# Altium PCB PCB_UDC_PlacaControle_V2.0.PcbDoc (part 4 of 7) (continued)
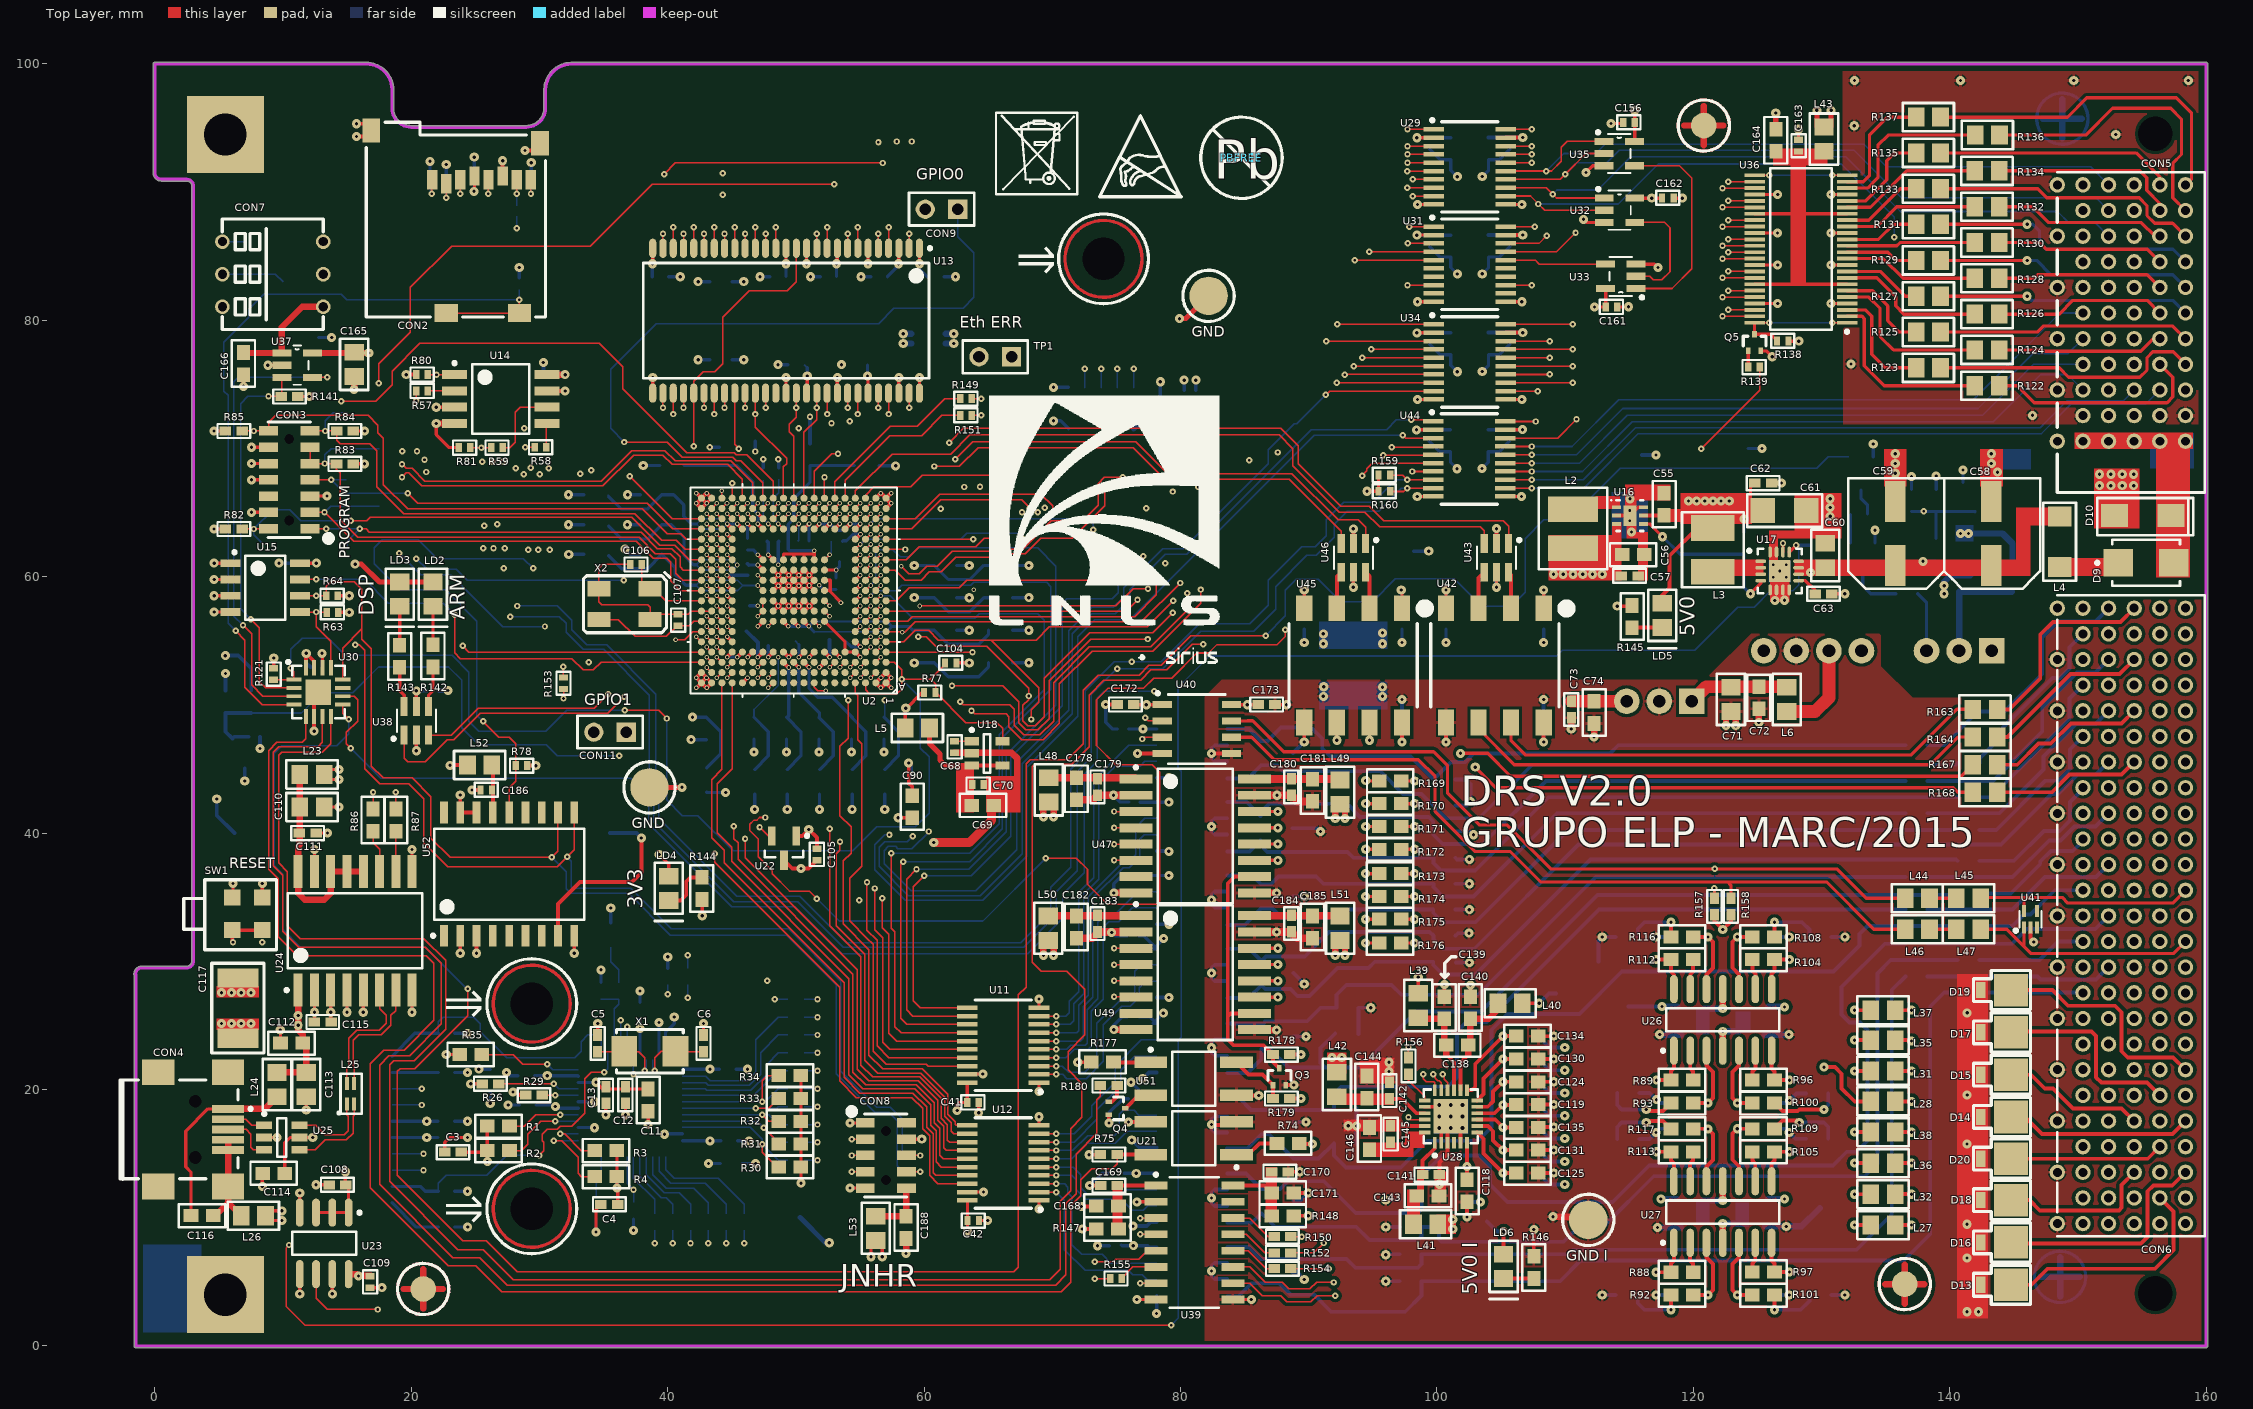
[diagram p0: Top Layer view]
## Nets (pads, with @x,y where several pads share a name; then routed paths per layer and width w, separated by ;. In a path a pad name is that pad's centre, name@x,y a point inside that pad or via, vN(x,y) a via of type N, cw(c..) or ccw(c..) an arc to the next point about the centre after c; other vN are vias at no path point) (continued)
NetC43_2: C43.2 C44.2 C45.2 C46.2 C47.2 C48.2 C49.2 C50.2 C51.2 L1.2 U13.1 U13.3 U13.9 U13.14 U13.27 U13.43 U13.49 | length 19.1
  Top Layer w0.102: v1(55.587,75.658) v1@55.637,75.608
  Top Layer w0.254: v1@38.837,84.435 U13.27@38.837,85.626 ; v1(49.237,84.421) U13.14@49.237,85.626 ; U13.43@50.888,74.377 v1(50.888,75.658) ; v1@53.237,84.484 U13.9@53.237,85.626 ; U13.49@55.637,74.326 v1@55.637,75.608 ; v1@58.037,84.458 U13.3@58.037,85.626 ; v1@59.637,84.435 U13.1@59.637,85.626
  Bottom Layer w0.102: C45.2@50.664,76.547 C45.2@50.888,76.323
  Bottom Layer w0.254: C51.2@38.793,83.405 v1@38.793,84.391 ; C43.2@45.019,76.928 v1(45.935,76.928) ; C44.2@45.019,83.024 v1(45.935,83.024) ; C50.2@49.237,83.435 v1(49.237,84.421) ; v1(50.888,75.658) C45.2@50.888,76.323 ; C49.2@53.174,83.435 v1(53.174,84.421) ; v1(55.587,75.658) C46.2@55.587,76.517 ; C48.2@57.141,83.405 58,84.264 v1(58,84.421) ; v1(59.651,84.421) 59.651,84.01 C47.2@60.256,83.405
  Bottom Layer w0.5: v1(58.381,78.198) L1.2@59.016,78.198 ; v1(58.381,78.96) L1.2@59.016,78.96
  other v1: 38.823,84.421
NetC58_1: C58.1 C59.1 C60.2 L4.2 R67.1 R71.1 U17.10 U17.11 U17.12 | length 1.8
  Bottom Layer w0.254: v1(129.159,60.328) R67.1@129.159,61.202 ; v1(137.922,61.202) R71.1@138.862,61.202
NetC63_2: C63.2 U17.9 | length 1.9
  Top Layer w0.254: U17.9@128.221,59.702 128.754,59.702 129.51,58.946 C63.2@129.51,58.674
NetC65_2: C65.2 R67.2 SW1.1 U17.13 | length 233.9
  Top Layer w0.127: v2(10.465,7.874) 10.236,7.645 10.236,3.099 11.709,1.626 v2(79.273,1.626)
  Top Layer w0.254: v2(6.096,31.496) 6.035,31.557 SW1.1@6.035,32.43 SW1.1@8.365,32.43 ; U17.13@127.496,61.927 v5(128.025,62.456)
  Signal 2 w0.127: v2(8.382,31.496) 9.347,30.531 21.107,30.531 21.793,29.845 21.793,25.324 20.955,24.486 20.015,24.486 18.644,23.114 17.17,23.114 16.764,22.708 16.764,8.509 16.408,8.153 10.744,8.153 v2(10.465,7.874)
  Signal 2 w0.254: v2(6.096,31.496) v2(8.382,31.496)
  Bottom Layer w0.127: v2(79.273,1.626) 79.832,2.184 79.832,23.851 80.061,24.079 80.061,44.831 79.807,45.085 79.807,51.359 82.271,53.823 109.347,53.823 109.804,54.28 120.116,54.28 123.469,57.633 124.764,57.633 126.034,58.903 127.787,58.903 128.219,59.334 128.219,62.262 v5(128.025,62.456)
  Bottom Layer w0.254: v2(6.096,31.496) C65.2@6.096,32.919 ; v5(128.025,62.456) R67.2@129.113,62.456
NetC68_2: C68.2 U18.1 | length 1.3
  Top Layer w0.102: C68.2@62.382,47.179 U18.1@63.722,47.178
NetC69_2: C69.2 C70.2 L5.2 U18.3 U18.4 | length 7.9
  Top Layer w0.3: U18.3@63.722,45.278 U18.4@66.122,45.278
  Top Layer w0.4: L5.2@60.427,48.209 60.427,46.99 61.239,46.177 61.239,45.695 61.656,45.278 U18.3@63.722,45.278
NetC71_2: C71.2 C72.2 L6.2 U19.1 | length 7.9
  Top Layer w1: U19.1@119.888,50.292 121.021,51.425 C72.2@125.121,51.425 L6.2@127.292,51.425
NetC75_2: C75.2 C76.2 L7.2 U20.2 | length 8.6
  Bottom Layer w0.5: U20.2@140.741,54.229 C75.2@140.741,58.82 ; C75.2@140.843,58.82 L7.2@144.851,58.82
NetC77_2: C77.2 L10.2 U2.C9 | length 11.5
  Top Layer w0.3: U2.C9@50.635,53.328 v3(51.028,52.935)
  Bottom Layer w0.254: v3(51.028,52.935) 51.028,51.283 51.714,50.597 52.843,50.597 C77.2@54.393,49.047 ; C77.2@54.341,49.047 55.46,47.928 55.46,46.025 L10.2@54.393,44.958
NetC78_2: C78.2 L9.2 U2.C11 | length 9.5
  Top Layer w0.3: U2.C11@49.047,53.315 v3(49.441,52.921)
  Bottom Layer w0.254: C78.2@49.275,49.047 50.394,47.928 50.394,46.025 L9.2@49.327,44.958 ; C78.2@49.352,49.047 49.441,49.135 v3(49.441,52.921)
NetC79_2: C79.2 L8.2 U2.C10 | length 10.1
  Top Layer w0.3: U2.C10@49.835,53.328 v3(50.228,52.935)
  Bottom Layer w0.254: v3(50.228,52.935) 50.228,50.991 51.851,49.368 C79.2@51.851,49.047 ; C79.2@51.801,49.047 52.92,47.928 52.92,46.025 L8.2@51.853,44.958
NetC80_2: C80.2 U2.M13 | length 1.4
  Top Layer w0.3: v3(47.042,60.921) U2.M13@47.435,60.528
  Bottom Layer w0.254: C80.2@46.328,60.921 v3(47.042,60.921)
  Bottom Layer w0.3: C80.2@46.228,61.021 C80.2@46.328,60.921
NetC81_2: C81.2 U2.T10 | length 1.9
  Top Layer w0.102: U2.T10@49.835,63.728 v3(50.228,64.121)
  Bottom Layer w0.102: C81.2@50.154,62.763 50.228,62.837 v3(50.228,64.121)
NetC82_2: C82.2 U2.T11 | length 4.4
  Top Layer w0.102: v3(48.642,64.121) U2.T11@49.035,63.728
  Bottom Layer w0.102: v3(48.642,64.121) 48.235,64.528 48.235,66.116 48.667,66.549 C82.2@48.667,67.604
NetC83_2: C83.2 U2.N12 | length 1.6
  Top Layer w0.3: v3(47.842,61.721) U2.N12@48.235,61.328
  Bottom Layer w0.254: v3(47.842,61.721) C83.2@47.842,62.689
  Bottom Layer w0.3: C83.2@47.767,62.763 C83.2@47.842,62.689
NetC84_2: C84.2 U2.T12 | length 4.1
  Top Layer w0.102: v3(47.842,64.121) U2.T12@48.235,63.728
  Bottom Layer w0.102: C84.2@47.447,67.539 47.447,64.516 v3(47.842,64.121)
NetC85_2: C85.2 TP9.1 U2.M7 | length 2.3
  Top Layer w0.254: U2.M7@52.235,60.528 v3(53.137,60.528)
  Bottom Layer w0.254: C85.2@53.137,59.904 v3(53.137,60.528) 53.4,60.791 TP9.1@53.4,61.2
NetC86_2: C86.2 U2.N13 | length 1.5
  Top Layer w0.3: v3(47.042,61.721) U2.N13@47.435,61.328
  Bottom Layer w0.254: C86.2@46.228,62.092 46.671,62.092 v3(47.042,61.721)
NetC87_2: C87.2 U2.N7 | length 1.6
  Top Layer w0.102: U2.N7@52.235,61.328 v3(52.628,61.721)
  Bottom Layer w0.102: v3(52.628,61.721) 52.745,61.838 C87.2@52.745,62.763
NetC88_2: C88.2 U2.D12 | length 1.5
  Top Layer w0.3: v3(47.842,53.735) U2.D12@48.235,54.128
  Bottom Layer w0.254: v3(47.842,53.735) C88.2@47.842,54.648
NetC89_2: C89.2 U2.D13 | length 2.9
  Top Layer w0.3: v3(47.042,53.735) U2.D13@47.435,54.128
  Bottom Layer w0.3: C89.2@46.152,55.754 47.042,54.864 v3(47.042,53.735)
NetC90_2: C90.2 TP10.1 U2.C7 | length 16.8
  Top Layer w0.3: v3(51.842,52.935) U2.C7@52.235,53.328 ; v1(58.801,45.466) 58.801,43.917 59.08,43.637 C90.2@59.08,42.925
  Signal 1 w0.3: v3(51.842,52.935) 51.842,50.317 53.924,48.235 57.633,48.235 58.801,47.066 v1(58.801,45.466) v1@58.801,45.441
  Bottom Layer w0.3: v1(58.801,45.466) 59,45.267 TP10.1@59,44.5
NetC91_2: C91.2 U2.D7 | length 1.9
  Top Layer w0.3: U2.D7@52.235,54.128 v3(52.628,53.735)
  Bottom Layer w0.3: v3(52.628,53.735) C91.2@52.628,55.092
NetC92_2: C92.2 L12.2 U2.L13 | length 19.4
  Top Layer w0.127: v3(47.042,60.121) U2.L13@47.435,59.728
  Signal 1 w0.127: v3(45.428,60.921) 46.242,60.921 v3(47.042,60.121)
  Bottom Layer w0.127: 42.24,60.935 42.647,60.528 45.035,60.528 v3(45.428,60.921) 45.008,61.341 42.646,61.341 42.24,60.935
  Bottom Layer w0.254: L12.2@35.401,63.958 36.417,62.942 38.431,62.942 C92.2@39.547,64.059 40.284,64.059 41.275,63.068 41.275,61.671 42.012,60.935 42.24,60.935
NetC93_2: C93.2 L11.2 U2.K13 | length 18.7
  Top Layer w0.127: v3(47.042,59.321) U2.K13@47.435,58.928
  Bottom Layer w0.127: v3(47.042,59.321) 45.86,59.321 ; 45.86,59.321 45.441,59.741 42.621,59.741 42.215,59.334 42.621,58.928 45.467,58.928 45.86,59.321
  Bottom Layer w0.254: L11.2@35.401,61.647 36.417,60.631 38.431,60.631 C93.2@39.547,61.747 40.564,60.731 40.564,60.198 41.427,59.334 42.215,59.334
NetC94_2: C94.2 L22.2 U2.G9 U2.G10 U2.G11 | length 25.6
  Top Layer w0.3: U2.G11@49.009,56.528 v3(49.402,56.135) ; U2.G10@49.809,56.528 v3(50.202,56.135) ; U2.G9@50.609,56.528 v3(51.002,56.135)
  Bottom Layer w0.127: 51.382,56.515 57.074,56.515 ; 51.416,55.721 57.068,55.721
  Bottom Layer w0.254: v3(49.402,56.135) v3(50.202,56.135) v3(51.002,56.135) ; 51.382,56.515 v3(51.002,56.135) ; 51.416,55.721 v3(51.002,56.135) ; 57.068,55.721 57.468,56.121 ; 57.074,56.515 57.468,56.121 ; C94.2@60.808,55.825 61.901,54.733 64.262,54.733 65.024,55.495 L22.2@65.024,55.829 ; C94.2@60.808,55.829 59.131,55.829 58.839,56.121 57.468,56.121
NetC95_2: C95.2 L21.2 U2.G8 U2.H7 U2.J7 | length 19.9
  Top Layer w0.102: U2.G8@51.435,56.528 v3(51.828,56.135) ; U2.H7@52.235,57.328 v3(52.628,56.935) ; U2.J7@52.235,58.128 v3(52.628,57.735)
  Signal 1 w0.127: v3(51.828,56.135) v3(52.628,56.935) ; v3(52.628,57.735) v3(52.628,56.935) ; v2(56.933,50.38) 56.614,50.698 54.94,50.698 54.635,51.003 54.635,53.365 54.229,53.772 54.229,56.49 53.784,56.935 v3(52.628,56.935)
  Bottom Layer w0.127: C95.2@56.933,49.097 v2(56.933,50.38)
  Bottom Layer w0.254: C95.2@56.881,49.047 58,47.928 58,46.025 L21.2@56.933,44.958
NetC96_2: C96.2 L20.2 U2.T13 U2.U13 | length 10.5
  Top Layer w0.3: v3(47.042,64.121) U2.T13@47.435,63.728 ; v3(47.042,64.921) U2.U13@47.435,64.528
  Bottom Layer w0.254: L20.2@41.275,68.682 C96.2@44.298,68.682 45.364,68.682 46.634,67.412 46.634,65.328 v3(47.042,64.921) v3(47.042,64.121)
NetC97_2: C97.2 L19.2 U2.T15 U2.T16 | length 16.7
  Top Layer w0.3: v3(44.642,64.121) U2.T16@45.035,63.728 ; v3(45.442,64.121) U2.T15@45.835,63.728
  Bottom Layer w0.102: L19.2@35.382,66.294 L19.2@35.382,66.396 ; C97.2@39.528,66.394 C97.2@39.572,66.394
  Bottom Layer w0.127: 42.246,64.115 42.647,64.516 44.247,64.516 v3(44.642,64.121) 44.249,63.729 42.647,63.729 42.254,64.121
  Bottom Layer w0.254: L19.2@35.382,66.294 36.398,65.278 38.412,65.278 C97.2@39.528,66.394 ; C97.2@39.572,66.394 40.463,66.394 41.25,65.608 41.25,64.719 41.848,64.121 42.254,64.121 ; v3(44.642,64.121) v3(45.442,64.121)
NetC98_2: C98.2 L18.2 U2.D15 U2.D16 U2.G13 | length 21.5
  Top Layer w0.3: v3(44.642,53.735) U2.D16@45.035,54.128 ; v3(45.442,53.735) U2.D15@45.835,54.128 ; v3(47.042,56.135) U2.G13@47.435,56.528
  Signal 1 w0.127: 44.221,51.714 44.628,51.308 44.653,51.308 45.06,51.714 45.06,53.317 v3(44.642,53.735) 44.221,53.315 44.221,51.714
  Signal 1 w0.254: v1(41.935,49.047) 42.723,49.047 43.222,49.547 44.213,49.547 44.653,49.987 44.653,51.308 ; v3(45.442,53.735) 45.442,54.535 v3(47.042,56.135)
  Bottom Layer w0.254: v1(41.935,49.047) C98.2@43.028,49.047 44.12,47.955 44.12,46.153 L18.2@43.053,45.086 ; v3(44.642,53.735) v3(45.442,53.735)
NetC99_2: C99.2 L17.2 U2.G12 U2.H13 U2.J13 | length 16.2
  Top Layer w0.102: v3(47.042,56.935) U2.H13@47.435,57.328 U2.J13@47.435,58.128 ; v3(47.842,56.135) U2.G12@48.235,56.528
  Signal 1 w0.127: v3(47.042,56.935) v3(47.842,56.135) 48.642,55.335 v3(48.642,53.735)
  Bottom Layer w0.127: C99.2@46.735,49.047 46.735,49.644 48.642,51.55 v3(48.642,53.735)
  Bottom Layer w0.254: C99.2@46.735,49.047 47.854,47.928 47.854,46.025 L17.2@46.787,44.958
NetC100_2: C100.2 L16.2 U2.N8 U2.N9 U2.N10 U2.N11 | length 17.2
  Top Layer w0.254: U2.N11@49.035,61.328 49.035,61.773 49.835,61.773 ; U2.N10@49.835,61.328 49.835,61.773 ; U2.N9@50.635,61.328 50.635,61.773 ; U2.N8@51.435,61.328 51.435,61.773 ; v3(51.435,62.027) 51.435,61.773 ; 49.835,61.773 51.435,61.773
  Bottom Layer w0.254: v3(51.435,62.027) 49.53,62.027 49.403,62.154 49.403,64.084 49.835,64.516 49.835,66.091 51.105,67.361 C100.2@51.105,68.682 L16.2@54.584,68.682
NetC101_2: C101.2 L15.2 U2.D4 U2.D5 U2.G7 | length 15.7
  Top Layer w0.254: U2.G7@52.235,56.528 53.835,54.928 U2.D5@53.835,54.128 U2.D4@54.635,54.128
  Top Layer w0.3: U2.D4@54.635,54.128 v3(55.028,53.735)
  Signal 1 w0.254: v3(55.028,53.735) 55.612,53.735 56.058,53.289 v1(59.233,53.289)
  Bottom Layer w0.254: v1(59.233,53.289) C101.2@60.808,53.289 61.901,52.197 64.262,52.197 65.024,52.959 L15.2@65.024,53.293
NetC102_2: C102.2 L14.2 U2.K7 U2.L7 | length 16
  Top Layer w0.254: U2.K7@52.235,58.928 52.692,58.928 52.692,59.728 U2.L7@52.235,59.728 ; 52.692,58.852 53.518,58.026 v3(53.518,57.988)
  Signal 1 w0.254: v3(53.518,57.988) 54.458,58.928 57.912,58.928 58.471,58.369 v1(59.233,58.369)
  Bottom Layer w0.254: v1(59.233,58.369) C102.2@60.808,58.369 ; C102.2@60.808,58.365 61.901,57.273 63.572,57.273 64.668,58.369 L14.2@65.024,58.369
NetC103_2: C103.2 L13.2 U2.T4 U2.T5 U2.T7 U2.T8 | length 23
  Top Layer w0.3: U2.T8@51.435,63.728 v3(51.828,64.121) ; U2.T7@52.235,63.728 v3(52.628,64.121) ; U2.T5@53.835,63.728 v3(54.228,64.121) ; U2.T4@54.635,63.728 v3(55.028,64.121)
  Signal 1 w0.254: v3(52.628,64.121) 52.628,62.815 53.746,61.697 53.746,60.274 54.305,59.715 58.064,59.715 v1(59.234,60.885)
  Bottom Layer w0.254: v3(51.828,64.121) v3(52.628,64.121) 53.122,63.627 53.734,63.627 v3(54.228,64.121) v3(55.028,64.121) ; v1(59.234,60.885) C103.2@60.808,60.885 ; C103.2@60.808,60.88 61.901,59.788 63.572,59.788 64.668,60.884 L13.2@65.024,60.884
NetC110_2: C110.2 C111.2 L23.2 U24.12 U24.13 U24.14 U24.16 | length 16.5
  Top Layer w0.5: L23.2@11.303,44.577 11.303,39.116 11.176,38.989 11.176,35.306 11.684,34.798 13.208,34.798 13.716,35.306 U24.14@13.716,37.01 U24.13@14.986,37.01 U24.12@16.256,37.01
NetC116_1: C116.1 CON4.4 CON4.5 CON4.6 CON4.7 CON4.8 CON4.9 L26.2 | length 7.8
  Top Layer w0.5: C116.1@4.699,10.16 5.715,11.176 ; CON4.4@5.715,16.091 CON4.5@5.715,15.291 CON4.6@5.715,12.441 5.715,11.176 ; L26.2@6.731,10.16 5.715,11.176
NetC116_2: C116.2 CON4.1 L24.2 | length 15
  Top Layer w0.254: C116.2@2.82,10.16 2.82,13.563 2.413,13.97 2.413,16.764 4.14,18.491 CON4.1@5.715,18.491
  Top Layer w0.5: CON4.1@5.715,18.491 8.585,18.491 L24.2@9.525,19.431
NetC120_2: C120.2 R92.2 U27.3 | length 6.8
  Top Layer w0.3: R92.2@119.989,3.971 v1(121.158,3.971) 121.539,4.352 121.539,6.384 121.031,6.892 U27.3@121.031,8.048
  Bottom Layer w0.3: C120.2@119.989,3.971 v1(121.158,3.971)
NetC121_2: C121.2 R93.2 U26.3 | length 6.8
  Top Layer w0.3: R93.2@119.992,18.957 v1(121.158,18.957) 121.539,19.338 121.539,21.37 121.035,21.874 U26.3@121.035,23.034
  Bottom Layer w0.3: C121.2@119.992,18.957 v1(121.158,18.957)
NetC126_2: C126.2 R100.2 U26.5 | length 6.8
  Top Layer w0.3: U26.5@123.575,23.034 123.575,21.882 123.063,21.37 123.063,19.338 v1(123.444,18.957) R100.2@124.617,18.957
  Bottom Layer w0.3: v1(123.444,18.957) C126.2@124.617,18.957
NetC127_2: C127.2 R101.2 U27.5 | length 6.8
  Top Layer w0.3: U27.5@123.571,8.048 123.571,6.892 123.063,6.384 123.063,4.352 v1(123.444,3.971) R101.2@124.613,3.971
  Bottom Layer w0.3: v1(123.444,3.971) C127.2@124.613,3.971
NetC132_2: C132.2 R108.2 U26.10 | length 6.8
  Top Layer w0.3: U26.10@123.575,27.834 123.575,28.986 123.063,29.498 123.063,31.53 v1(123.444,31.911) R108.2@124.617,31.911
  Bottom Layer w0.3: v1(123.444,31.911) C132.2@124.617,31.911
NetC133_2: C133.2 R109.2 U27.10 | length 6.8
  Top Layer w0.3: U27.10@123.571,12.848 123.571,14.02 123.063,14.528 123.063,16.56 v1(123.444,16.941) R109.2@124.613,16.941
  Bottom Layer w0.3: v1(123.444,16.941) C133.2@124.613,16.941
NetC136_2: C136.2 R116.2 U26.12 | length 6.7
  Top Layer w0.3: R116.2@119.992,31.911 v1@121.145,31.911 ; U26.12@121.035,27.834 121.035,28.981 121.539,29.485 121.539,31.517 v1(121.158,31.898)
  Bottom Layer w0.3: C136.2@120.005,31.898 v1(121.158,31.898)
NetC137_2: C137.2 R117.2 U27.12 | length 6.8
  Top Layer w0.3: R117.2@119.989,16.941 v1@121.142,16.941 ; U27.12@121.031,12.848 121.031,14.004 121.539,14.512 121.539,16.544 v1(121.158,16.925)
  Bottom Layer w0.3: C137.2@119.989,16.941 v1@121.142,16.941
NetC138_1: C138.1 C140.2 L40.1 U28.14 | length 8.8
  Top Layer w0.3: U28.14@101.841,19.956 101.841,22.115 102.457,22.731 ; C138.1@102.457,23.468 C138.1@102.615,23.626
  Top Layer w0.5: 102.457,22.731 C138.1@102.457,23.468 ; C138.1@102.615,23.626 C140.2@102.615,25.526 104.042,25.526 104.77,26.254 L40.1@104.77,26.735
NetC138_2: C138.2 C139.2 L39.1 U28.15 | length 7.8
  Top Layer w0.3: C138.2@100.579,23.621 C138.2@100.732,23.468 ; 100.732,22.728 101.341,22.119 U28.15@101.341,19.956
  Top Layer w0.5: L39.1@98.679,25.526 C139.2@100.579,25.526 C138.2@100.579,23.621 ; 100.732,22.728 C138.2@100.732,23.468
NetC141_2: C141.2 C143.2 L41.1 U28.1 | length 2.9
  Top Layer w0.3: C141.2@98.89,13.36 98.89,14.465 99.841,15.416 U28.1@99.841,15.856
NetC142_2: C142.2 C144.2 L42.1 U28.21 | length 3.2
  Top Layer w0.3: C142.2@96.313,19.273 97.292,19.273 98.409,18.156 U28.21@99.041,18.156
NetC145_2: C145.2 C146.2 U28.24
NetC163_2: C163.2 C164.2 L43.2 U36.7 U36.18 U36.31 U36.42 | length 13.3
  Top Layer w0.254: U36.42@124.797,82.819 127.806,82.819 ; U36.31@124.797,88.319 127.972,88.319 ; 128.404,82.819 U36.7@131.997,82.819 ; 128.517,88.319 U36.18@131.997,88.319
NetC166_2: C166.2 CON7.2 U37.1 | length 8.9
  Top Layer w0.5: C166.2@6.935,77.571 7.051,77.455 U37.1@9.906,77.455 9.906,79.477 11.489,81.06 CON7.2@13.137,81.06
NetC168_2: C168.2 C169.2 R147.2 U39.1 | length 3.1
  Top Layer w0.3: C169.2@75.164,12.41 C169.2@75.07,12.504 U39.1@78.073,12.504
NetC170_2: C170.2 C171.2 R148.1 U39.16 | length 3.8
  Top Layer w0.3: U39.16@83.576,12.512 86.034,12.512 86.54,12.512 C171.2@87.118,11.934
NetC178_2: C178.2 C179.2 L48.2 U47.1 | length 6.8
  Top Layer w0.3: U47.1@76.427,44.329 U47.1@76.528,44.228
  Top Layer w0.6: L48.2@69.723,44.329 C178.2@71.882,44.329 U47.1@76.427,44.329
NetC180_2: C180.2 C181.2 L49.1 U47.16 | length 6.6
  Top Layer w0.6: U47.16@85.778,44.228 L49.1@92.373,44.228
NetC182_2: C182.2 C183.2 L50.2 U49.1 | length 6.8
  Top Layer w0.6: L50.2@69.718,33.56 U49.1@76.528,33.56
NetC184_2: C184.2 C185.2 L51.1 U49.16 | length 6.7
  Top Layer w0.5: L51.1@92.43,33.56 L51.1@92.456,33.534
  Top Layer w0.6: U49.16@85.778,33.56 L51.1@92.43,33.56
NetC186_2: C186.2 L52.1 U52.15 | length 3.7
  Top Layer w0.102: L52.1@26.284,45.314 L52.1@26.365,45.232
  Top Layer w0.3: U52.15@26.365,41.605 L52.1@26.365,45.232
NetC188_2: C188.2 CON8.10 L53.1 | length 4.6
  Top Layer w0.5: L53.1@56.236,10.13 C188.2@58.598,10.13 ; C188.2@58.598,10.108 58.598,10.135 58.598,12.279 CON8.10@58.638,12.319
NetC189_2: C189.2 CON10.1 L54.2 | length 4.7
  Bottom Layer w0.4: CON10.1@76.352,71.537 77.002,72.187 L54.2@80.747,72.187
NetCON1_1: CON1.1 R1.2 U1.17 | length 19.7
  Top Layer w0.102: R1.2@27.66,17.145 28.829,17.145 29.718,18.034 v2(31.623,18.034)
  Signal 1 w0.102: v2@20.955,20.066 21.336,19.685 24.13,19.685 25.769,18.046 v2@31.623,18.046
  Bottom Layer w0.102: CON1.1@18.5,20.066 v2@20.955,20.066 ; v2(31.623,18.034) U1.17@33.022,18.034
  other v2: 20.828,20.066
NetCON1_2: CON1.2 R2.2 U1.16 | length 20.3
  Top Layer w0.102: R2.2@27.66,15.24 28.575,15.24 29.083,15.748 29.083,16.51 30.099,17.526 v2(31.242,17.526)
  Signal 1 w0.102: v2@20.947,18.796 21.336,19.185 23.923,19.185 25.562,17.546 v2@31.242,17.546
  Bottom Layer w0.102: CON1.2@18.5,18.796 v2@20.947,18.796 ; v2(31.242,17.526) U1.16@33.014,17.526
  other v2: 20.828,18.796
NetCON1_7: CON1.7 R3.2 U1.14 | length 18.7
  Top Layer w0.102: v2(31.623,16.546) 31.968,16.546 33.274,15.24 R3.2@34.316,15.24
  Signal 1 w0.102: v2(20.955,14.986) 21.336,14.605 23.749,14.605 25.69,16.546 v2(31.623,16.546)
  Bottom Layer w0.102: CON1.7@18.5,14.986 v2(20.955,14.986) ; v2(31.623,16.546) U1.14@33.034,16.546
NetCON1_8: CON1.8 R4.2 U1.13 | length 20.6
  Top Layer w0.102: v2(31.115,16.002) 31.75,16.002 33.02,14.732 33.02,13.462 33.274,13.208 R4.2@34.316,13.208
  Signal 1 w0.102: v2@20.947,13.716 21.336,14.105 23.956,14.105 25.897,16.046 v2@31.115,16.046
  Bottom Layer w0.102: CON1.8@18.5,13.716 v2@20.947,13.716 ; v2(31.115,16.002) 32.99,16.002 U1.13@33.034,16.046
  other v2: 20.955,13.716
NetCON1_9: CON1.9 R24.1 U1.26 | length 22.3
  Bottom Layer w0.102: R24.1@22.098,24.384 22.098,25.273 22.479,25.654 24.892,25.654 25.4,25.146 25.4,24.511 27.432,22.479 32.766,22.479 33.274,22.987 33.274,23.749 33.782,24.257 34.671,24.257 34.834,24.094 U1.26@34.834,22.846
  Bottom Layer w0.254: CON1.9@18.5,22.606 20.278,24.384 R24.1@22.098,24.384
NetCON1_10: CON1.10 R27.1 | length 3.6
  Bottom Layer w0.254: CON1.10@18.5,21.336 R27.1@22.098,21.336
NetCON1_11: CON1.11 R23.1 U1.27 | length 25
  Top Layer w0.102: v2(29.972,14.859) 30.353,15.24 30.353,15.875 30.226,16.002 30.226,16.51 30.607,16.891 31.369,16.891 31.623,17.145 32.512,17.145 33.528,18.161 33.528,20.828 34.036,21.336 v2(35.052,21.336)
  Bottom Layer w0.102: R23.1@22.098,12.065 22.098,12.7 22.733,13.335 25.908,13.335 27.432,14.859 v2(29.972,14.859) ; v2(35.052,21.336) 35.334,21.618 U1.27@35.334,22.846
  Bottom Layer w0.254: CON1.11@18.5,12.446 20.701,12.446 21.082,12.065 R23.1@22.098,12.065
NetCON1_12: CON1.12 R28.1 | length 4.4
  Bottom Layer w0.254: CON1.12@18.5,11.176 20.405,9.271 R28.1@22.098,9.271
NetCON2_1: CON2.1 R62.2 | length 2
  Top Layer w0.102: v2(21.59,89.865) 21.59,90.924 CON2.1@21.63,90.964
  Bottom Layer w0.102: R62.2@21.463,90.693 21.463,89.992 v2(21.59,89.865)
NetCON2_7: CON2.7 R65.2 | length 2
  Top Layer w0.102: v2(28.219,89.865) 28.219,90.953 CON2.7@28.23,90.964
  Bottom Layer w0.102: R65.2@28.219,88.93 v2(28.219,89.865)
NetCON2_8: CON2.8 R66.1 | length 1.8
  Top Layer w0.102: CON2.8@29.33,90.964 29.337,90.957 v2(29.337,89.865)
  Bottom Layer w0.102: v2(29.337,89.865) R66.1@29.337,90.576
NetCON4_2: CON4.2 U25.1 | length 3
  Top Layer w0.102: CON4.2@5.715,17.691 7.074,17.691 7.559,17.206 U25.1@8.531,17.206
NetCON4_3: CON4.3 U25.3 | length 4.1
  Top Layer w0.102: CON4.3@5.715,16.891 7.112,16.891 7.493,16.51 7.493,15.494 7.681,15.306 U25.3@8.531,15.306
NetD9_1: D9.1 L4.1
NetL2_1: L2.1 U16.1
NetL3_1: L3.1 U17.1 U17.2 U17.3
NetL25_1: L25.1 U25.6 | length 6.4
  Top Layer w0.102: U25.6@11.281,17.206 12.537,17.206 13.284,16.459 14.777,16.459 15.088,16.769 15.088,17.932 14.986,18.034 L25.1@14.986,18.885
NetL25_2: L25.2 U24.6 | length 9.8
  Top Layer w0.102: L25.2@14.986,20.485 14.986,21.717 15.113,21.844 15.113,24.003 15.748,24.638 17.495,24.638 18.034,25.177 18.034,25.781 17.526,26.289 U24.6@17.526,27.76
NetL25_3: L25.3 U24.7 | length 9.7
  Top Layer w0.102: L25.3@15.536,20.485 15.536,21.802 15.494,21.844 15.494,23.845 15.906,24.257 17.653,24.257 18.415,25.019 18.415,25.781 18.796,26.162 U24.7@18.796,27.76
NetL25_4: L25.4 U25.4 | length 7
  Top Layer w0.102: U25.4@11.281,15.306 12.517,15.306 13.289,16.078 14.935,16.078 15.469,16.612 15.469,17.932 15.536,18 L25.4@15.536,18.885
NetL27_2: L27.2 R92.1 R94.1 | length 29.4
  Top Layer w0.3: v1(118.267,2.828) R92.1@118.267,3.967 ; v1(132.58,9.428) L27.2@133.858,9.428
  Signal 1 w0.3: v1(118.267,2.828) 119.414,1.681 131.69,1.681 132.808,2.799 132.808,6.081 131.388,7.501 131.388,8.863 131.953,9.428 v1(132.58,9.428)
  Bottom Layer w0.3: R94.1@115.671,3.967 115.671,3.358 116.201,2.828 v1(118.267,2.828)
NetL28_2: L28.2 R93.1 R95.1 | length 26.5
  Top Layer w0.3: v1(116.332,18.449) 116.459,18.322 117.632,18.322 R93.1@118.267,18.957 ; v1(130.2,21.747) 131.064,21.747 131.58,21.231 131.58,20.096 132.596,19.08 L28.2@133.858,19.08
  Signal 1 w0.3: v1(116.332,18.449) 118.36,18.449 119.791,19.88 128.943,19.88 129.921,20.858 129.921,21.455 v1@130.143,21.677
  Bottom Layer w0.3: R95.1@114.072,19.732 114.072,18.788 114.419,18.441 116.324,18.441 v1(116.332,18.449)
NetL31_2: L31.2 R100.1 R102.1 | length 11.4
  Top Layer w0.3: R100.1@126.342,18.957 126.977,18.322 128.143,18.322 128.27,18.449 v1(130.2,18.449) ; v1(132.58,21.455) L31.2@133.858,21.455
  Signal 1 w0.3: v1(130.2,18.449) 131.191,19.44 131.191,20.947 131.699,21.455 v1(132.58,21.455)
  Bottom Layer w0.3: v1(130.2,18.449) 130.53,18.778 R102.1@130.53,19.706
NetL32_2: L32.2 R101.1 R103.1 | length 19.9
  Top Layer w0.3: v1(126.339,2.828) R101.1@126.339,3.971 ; v1(132.58,11.836) L32.2@133.853,11.836
  Signal 1 w0.3: v1(126.339,2.828) 129.233,2.828 130.048,3.643 130.048,10.571 131.313,11.836 v1(132.58,11.836)
  Bottom Layer w0.3: v1(126.339,2.828) 128.371,2.828 129.058,3.516 R103.1@129.058,3.967
NetL35_2: L35.2 R108.1 R110.1 | length 19.9
  Top Layer w0.3: R108.1@126.342,31.911 v1@126.342,33.05 ; v1(132.58,23.855) L35.2@133.858,23.855
  Signal 1 w0.3: v1(126.339,33.054) 126.339,31.679 127,31.018 128.401,31.018 129.286,30.133 129.286,24.82 130.251,23.855 v1(132.58,23.855)
  Bottom Layer w0.3: v1(126.339,33.054) 128.49,33.054 129.058,32.485 R110.1@129.058,31.911
NetL36_2: L36.2 R109.1 R111.1 | length 12.5
  Top Layer w0.3: R109.1@126.339,16.941 126.974,17.576 128.127,17.576 v1(128.27,17.433) ; v1(132.58,14.264) L36.2@133.852,14.264
  Signal 1 w0.3: v1(128.27,17.433) 131.439,14.264 v1(132.58,14.264)
  Bottom Layer w0.3: v1(128.27,17.433) 130.184,17.433 130.53,17.087 R111.1@130.53,16.159
NetL37_2: L37.2 R116.1 R118.1 | length 26.5
  Top Layer w0.3: R116.1@118.267,31.911 v1@118.267,33.05 ; v1(132.58,26.192) L37.2@133.858,26.192
  Signal 1 w0.3: v1(118.263,33.054) 119.425,33.054 120.039,33.668 125.078,33.668 125.476,34.066 128.046,34.066 130.53,31.583 130.53,27.107 131.445,26.192 v1(132.58,26.192)
  Bottom Layer w0.3: R118.1@115.671,31.911 115.671,32.516 116.209,33.054 v1(118.263,33.054)
NetL38_2: L38.2 R117.1 R119.1 | length 26.8
  Top Layer w0.3: v1(116.332,17.433) 116.459,17.56 117.644,17.56 R117.1@118.263,16.941 ; v1(132.58,16.683) L38.2@133.858,16.683
  Signal 1 w0.3: v1(116.332,17.433) 115.71,16.811 115.71,16.4 116.169,15.941 118.257,15.941 120.222,17.906 123.952,17.906 124.326,18.28 128.816,18.28 129.921,17.175 132.088,17.175 v1(132.58,16.683)
  Bottom Layer w0.3: R119.1@114.072,16.15 114.072,17.086 114.419,17.433 v1(116.332,17.433)
NetL44_1: L44.1 R157.2 U40.7 | length 61.8
  Top Layer w0.254: U40.7@83.98,48.752 85.239,48.752 ; 85.255,48.768 85.63,48.768 88.043,46.355 99.747,46.355 100.841,45.262 100.841,43.098 103.299,40.64 105.462,40.64 108.891,37.211 v2(121.666,37.211) 131.198,37.211 133.484,34.925 L44.1@136.53,34.925 ; R157.2@121.654,34.938 v2(121.654,35.7)
  Signal 1 w0.254: v2(121.654,35.7) v2@121.654,37.199
NetL44_2: L44.2 L45.1 | length 2.1
  Top Layer w0.254: L44.2@138.43,34.925 L45.1@140.522,34.925
NetL46_1: L46.1 R158.2 U40.6 | length 61.7
  Top Layer w0.254: U40.6@83.98,47.482 85.546,47.482 87.307,45.72 98.563,45.72 99.86,44.423 99.86,41.684 102.968,38.576 105.707,38.576 108.088,36.195 122.682,36.195 ; R158.2@122.939,34.938 122.939,35.938 122.682,36.195 ; L46.1@136.53,32.512 134.078,32.512 130.395,36.195 122.682,36.195
NetL46_2: L46.2 L47.1 | length 2.1
  Top Layer w0.254: L46.2@138.43,32.512 L47.1@140.52,32.512
NetLD1_1: LD1.1 R38.2 | length 3
  Bottom Layer w0.102: LD1.1@35.56,31.12 35.56,29.972 36.195,29.337 R38.2@36.195,28.351
NetLD2_1: LD2.1 R142.1 | length 3
  Top Layer w0.254: R142.1@21.692,54.685 LD2.1@21.692,57.688
NetLD3_1: LD3.1 R143.1 | length 3
  Top Layer w0.254: R143.1@19.101,54.66 LD3.1@19.101,57.688
NetLD4_1: LD4.1 R144.1 | length 3.9
  Top Layer w0.3: LD4.1@40.081,34.752 41.026,34.752 41.453,35.179 41.453,36.219 41.783,36.55 R144.1@42.672,36.55
NetLD5_1: LD5.1 R145.1 | length 2.3
  Top Layer w0.3: R145.1@115.24,56.033 LD5.1@117.573,56.033
NetLD6_1: LD6.1 R146.1 | length 2.4
  Top Layer w0.3: LD6.1@105.207,5.263 R146.1@107.565,5.263
NetQ1_1: Q1.1 R73.2 | length 2.2
  Bottom Layer w0.254: Q1.1@132.273,62.641 R73.2@132.273,64.866
NetQ1_3: Q1.3 R76.2 | length 3.6
  Bottom Layer w0.254: Q1.3@133.223,60.041 133.223,59.309 133.858,58.674 R76.2@135.789,58.674
NetQ2_3: Q2.3 R73.1 | length 2.1
  Bottom Layer w0.254: Q2.3@133.096,66.772 133.096,66.086 133.604,65.578 R73.1@133.604,64.897
NetQ3_1: Q3.1 R179.2 U51.4 | length 4.6
  Top Layer w0.3: U51.4@84.376,22.113 85.308,21.18 86.391,21.18 Q3.1@87.219,20.352 R179.2@87.219,19.304
NetQ4_1: Q4.1 R180.2 | length 1.7
  Top Layer w0.3: Q4.1@74.412,19.035 74.636,19.035 75.059,19.458 R180.2@75.059,20.32
NetQ4_3: Q4.3 U51.2 | length 1.5
  Top Layer w0.3: Q4.3@75.707,18.535 U51.2@76.745,19.573
NetQ5_1: Q5.1 R139.2 | length 1.3
  Top Layer w0.254: Q5.1@124.282,77.618 124.297,77.604 R139.2@124.297,76.354
NetQ5_3: Q5.3 R138.2 U36.1 U36.24 U36.25 U36.48 | length 28.8
  Top Layer w0.127: U36.48@124.797,79.819 v2(125.944,79.819) ; U36.25@124.797,91.319 v2(125.944,91.319) ; v2(130.85,79.819) U36.1@131.997,79.819 ; v2(130.85,91.319) U36.24@131.997,91.319
  Top Layer w0.254: U36.48@124.797,79.819 124.782,79.804 Q5.3@124.782,78.913 126.035,78.913 126.456,78.493 R138.2@126.644,78.493
  Bottom Layer w0.127: v2(130.85,79.819) v2(125.944,79.819) v2(125.944,91.319) v2(130.85,91.319)
NetR5_2: R5.2 U1.1 | length 9
  Bottom Layer w0.102: U1.1@39.834,14.746 39.834,13.76 40.513,13.081 43.942,13.081 45.974,11.049 R5.2@45.974,10.317
NetR6_2: R6.2 U1.2 | length 8.2
  Bottom Layer w0.102: U1.2@39.334,14.746 39.334,13.625 40.259,12.7 42.926,12.7 44.577,11.049 R6.2@44.577,10.317
NetR7_2: R7.2 U1.3 | length 7.5
  Bottom Layer w0.102: U1.3@38.834,14.746 38.834,13.363 39.878,12.319 42.037,12.319 43.18,11.176 R7.2@43.18,10.317
NetR8_2: R8.2 U1.4 | length 6.5
  Bottom Layer w0.102: U1.4@38.334,14.746 38.334,13.355 39.751,11.938 40.894,11.938 41.783,11.049 R8.2@41.783,10.317